# KiCad board panel.kicad_pcb (continued)
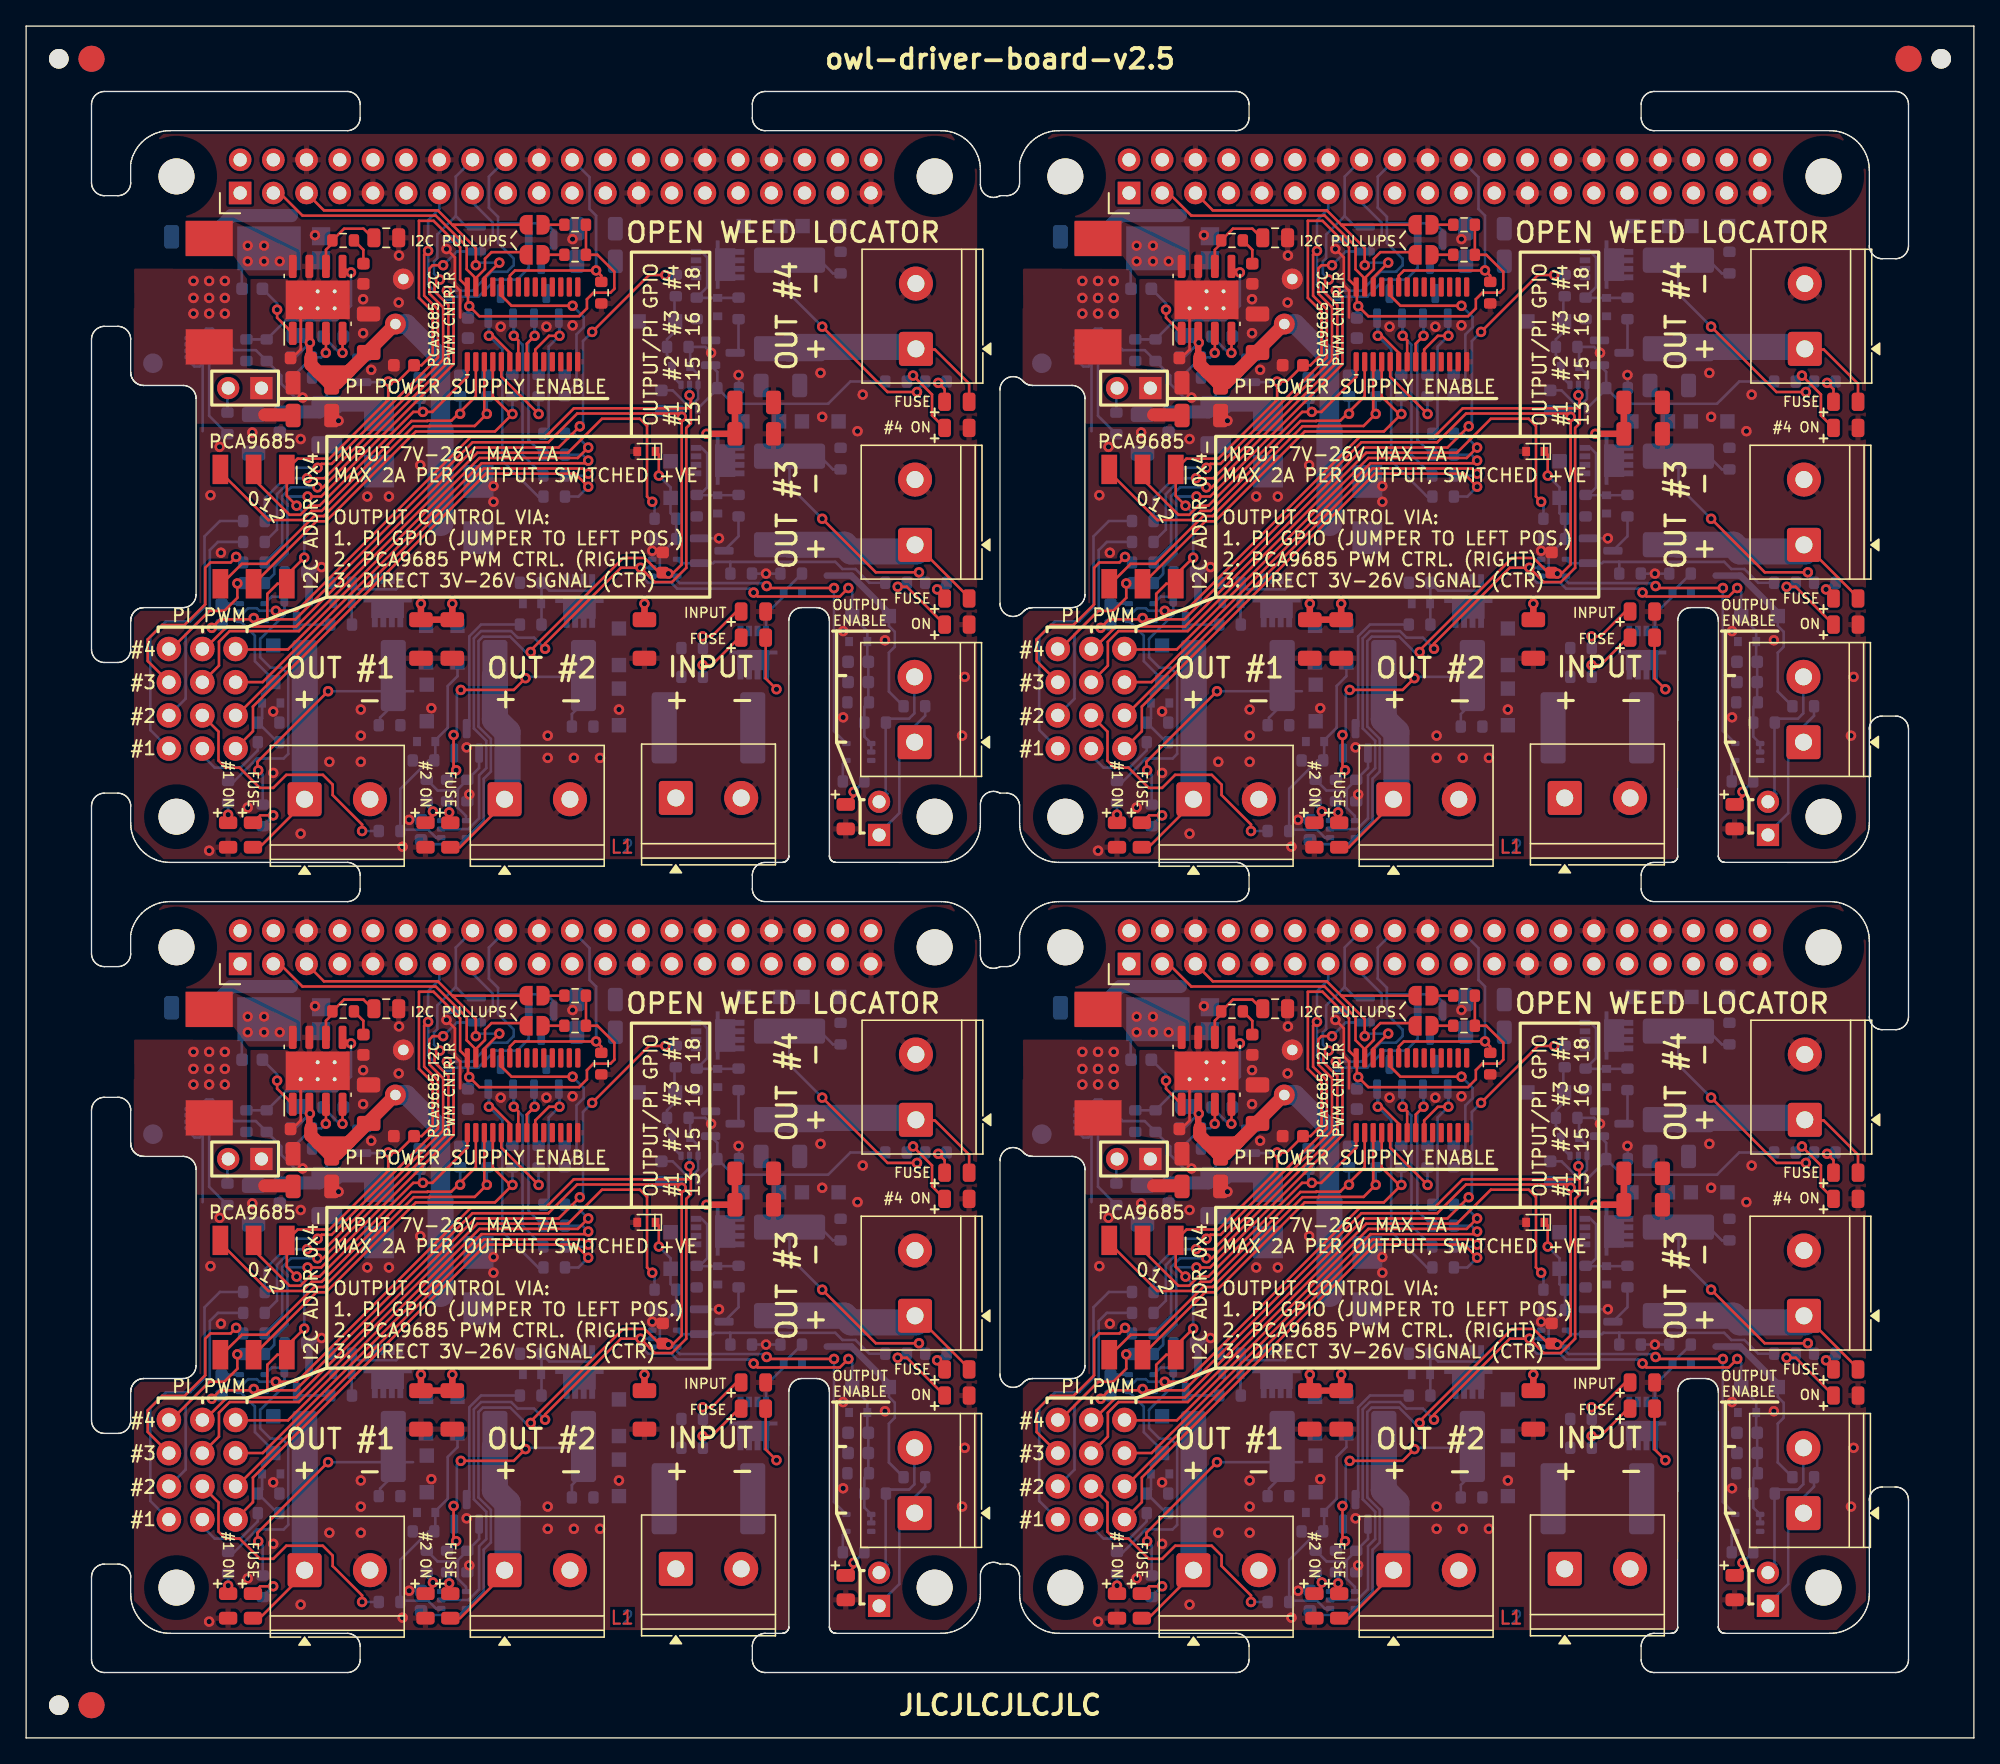
[diagram p0: board, top side]
## Placement (name value [footprint] x y rotation side) (continued)
F3#3  2920L200DR  [Fuse_2920_7451Metric_nosilk]  58.4 94.7 270 bottom
F3#4  2920L200DR  [Fuse_2920_7451Metric_nosilk]  126.4 35.7 270 bottom
F4  2920L200DR  [Fuse_2920_7451Metric_nosilk]  39.25 81.3 180 bottom
F4#2  2920L200DR  [Fuse_2920_7451Metric_nosilk]  107.25 81.3 180 bottom
F4#3  2920L200DR  [Fuse_2920_7451Metric_nosilk]  39.25 22.3 180 bottom
F4#4  2920L200DR  [Fuse_2920_7451Metric_nosilk]  107.25 22.3 180 bottom
F5  2920L200DR  [Fuse_2920_7451Metric_nosilk]  126.4 109.7 270 bottom
F5#2  2920L200DR  [Fuse_2920_7451Metric_nosilk]  58.4 109.7 270 bottom
F5#3  2920L200DR  [Fuse_2920_7451Metric_nosilk]  58.4 50.7 270 bottom
F5#4  2920L200DR  [Fuse_2920_7451Metric_nosilk]  126.4 50.7 270 bottom
J1  CONN_04  [1X04_NO_SILK]  10.92 24.33 270 top
J1#2  CONN_04  [1X04_NO_SILK]  78.92 24.33 270 top
J1#3  CONN_04  [1X04_NO_SILK]  10.92 83.33 270 top
J1#4  CONN_04  [1X04_NO_SILK]  78.92 83.33 270 top
J2  RASPBERRYPI-40-PIN-GPIO  [Pin_Header_Straight_2x20]  40.5 60.5 90 top
J2#2  RASPBERRYPI-40-PIN-GPIO  [Pin_Header_Straight_2x20]  40.5 119.5 90 top
J2#3  RASPBERRYPI-40-PIN-GPIO  [Pin_Header_Straight_2x20]  108.5 119.5 90 top
J2#4  RASPBERRYPI-40-PIN-GPIO  [Pin_Header_Straight_2x20]  108.5 60.5 90 top
J3  1935161  [TerminalBlock_Phoenix_PT-1,5-2-5.0-H_1x02_P5.00mm_Horizontal]  117.7 71.93 0 top
J3#2  1935161  [TerminalBlock_Phoenix_PT-1,5-2-5.0-H_1x02_P5.00mm_Horizontal]  49.7 12.93 0 top
J3#3  1935161  [TerminalBlock_Phoenix_PT-1,5-2-5.0-H_1x02_P5.00mm_Horizontal]  49.7 71.93 0 top
J3#4  1935161  [TerminalBlock_Phoenix_PT-1,5-2-5.0-H_1x02_P5.00mm_Horizontal]  117.7 12.93 0 top
J4  1935161  [TerminalBlock_Phoenix_PT-1,5-2-5.0-H_1x02_P5.00mm_Horizontal]  21.3 71.83 0 top
J4#2  1935161  [TerminalBlock_Phoenix_PT-1,5-2-5.0-H_1x02_P5.00mm_Horizontal]  21.3 12.83 0 top
J4#3  1935161  [TerminalBlock_Phoenix_PT-1,5-2-5.0-H_1x02_P5.00mm_Horizontal]  89.3 71.83 0 top
J4#4  1935161  [TerminalBlock_Phoenix_PT-1,5-2-5.0-H_1x02_P5.00mm_Horizontal]  89.3 12.83 0 top
J5  1935161  [TerminalBlock_Phoenix_PT-1,5-2-5.0-H_1x02_P5.00mm_Horizontal]  104.6 71.83 0 top
J5#2  1935161  [TerminalBlock_Phoenix_PT-1,5-2-5.0-H_1x02_P5.00mm_Horizontal]  36.6 12.83 0 top
J5#3  1935161  [TerminalBlock_Phoenix_PT-1,5-2-5.0-H_1x02_P5.00mm_Horizontal]  104.6 12.83 0 top
J5#4  1935161  [TerminalBlock_Phoenix_PT-1,5-2-5.0-H_1x02_P5.00mm_Horizontal]  36.6 71.83 0 top
J6  CONN_04X2  [2X4]  82.75 20.52 90 top
J6#2  CONN_04X2  [2X4]  14.75 79.52 90 top
J6#3  CONN_04X2  [2X4]  14.75 20.52 90 top
J6#4  CONN_04X2  [2X4]  82.75 79.52 90 top
J7  1935161  [TerminalBlock_Phoenix_PT-1,5-2-5.0-H_1x02_P5.00mm_Horizontal]  68 91.3 90 top
J7#2  1935161  [TerminalBlock_Phoenix_PT-1,5-2-5.0-H_1x02_P5.00mm_Horizontal]  136 32.3 90 top
J7#3  1935161  [TerminalBlock_Phoenix_PT-1,5-2-5.0-H_1x02_P5.00mm_Horizontal]  136 91.3 90 top
J7#4  1935161  [TerminalBlock_Phoenix_PT-1,5-2-5.0-H_1x02_P5.00mm_Horizontal]  68 32.3 90 top
J8  1935161  [TerminalBlock_Phoenix_PT-1,5-2-5.0-H_1x02_P5.00mm_Horizontal]  68.07 47.3 90 top
J8#2  1935161  [TerminalBlock_Phoenix_PT-1,5-2-5.0-H_1x02_P5.00mm_Horizontal]  68.07 106.3 90 top
J8#3  1935161  [TerminalBlock_Phoenix_PT-1,5-2-5.0-H_1x02_P5.00mm_Horizontal]  136.07 47.3 90 top
J8#4  1935161  [TerminalBlock_Phoenix_PT-1,5-2-5.0-H_1x02_P5.00mm_Horizontal]  136.07 106.3 90 top
J9  PI 5V  [PinHeader_1x02_P2.54mm_Vertical_nosilk]  18 103.3 270 top
J9#2  PI 5V  [PinHeader_1x02_P2.54mm_Vertical_nosilk]  18 44.3 270 top
J9#3  PI 5V  [PinHeader_1x02_P2.54mm_Vertical_nosilk]  86 103.3 270 top
J9#4  PI 5V  [PinHeader_1x02_P2.54mm_Vertical_nosilk]  86 44.3 270 top
J10  1935161  [TerminalBlock_Phoenix_PT-1,5-2-5.0-H_1x02_P5.00mm_Horizontal]  135.97 76.2 90 top
J10#2  1935161  [TerminalBlock_Phoenix_PT-1,5-2-5.0-H_1x02_P5.00mm_Horizontal]  135.97 17.2 90 top
J10#3  1935161  [TerminalBlock_Phoenix_PT-1,5-2-5.0-H_1x02_P5.00mm_Horizontal]  67.97 17.2 90 top
J10#4  1935161  [TerminalBlock_Phoenix_PT-1,5-2-5.0-H_1x02_P5.00mm_Horizontal]  67.97 76.2 90 top
J11  ENABLE  [PinHeader_1x02_P2.54mm_Vertical_nosilk]  65.25 69.1 180 top
J11#2  ENABLE  [PinHeader_1x02_P2.54mm_Vertical_nosilk]  133.25 69.1 180 top
J11#3  ENABLE  [PinHeader_1x02_P2.54mm_Vertical_nosilk]  65.25 10.1 180 top
J11#4  ENABLE  [PinHeader_1x02_P2.54mm_Vertical_nosilk]  133.25 10.1 180 top
JP7  A0  [SolderJumper-2_P1.3mm_Open_RoundedPad1.0x1.5mm_nosilk]  106.9 113.5 0 top
JP7#2  A0  [SolderJumper-2_P1.3mm_Open_RoundedPad1.0x1.5mm_nosilk]  38.9 113.5 0 top
JP7#3  A0  [SolderJumper-2_P1.3mm_Open_RoundedPad1.0x1.5mm_nosilk]  38.9 54.5 0 top
JP7#4  A0  [SolderJumper-2_P1.3mm_Open_RoundedPad1.0x1.5mm_nosilk]  106.9 54.5 0 top
JP8  A0  [SolderJumper-2_P1.3mm_Open_RoundedPad1.0x1.5mm_nosilk]  38.9 56.8 0 top
JP8#2  A0  [SolderJumper-2_P1.3mm_Open_RoundedPad1.0x1.5mm_nosilk]  106.9 115.8 0 top
JP8#3  A0  [SolderJumper-2_P1.3mm_Open_RoundedPad1.0x1.5mm_nosilk]  38.9 115.8 0 top
JP8#4  A0  [SolderJumper-2_P1.3mm_Open_RoundedPad1.0x1.5mm_nosilk]  106.9 56.8 0 top
KiKit_FID_B_1  -  [Fiducial]  5 128.5 180 bottom
KiKit_FID_B_2  -  [Fiducial]  144 128.5 180 bottom
KiKit_FID_B_3  -  [Fiducial]  5 2.5 180 bottom
KiKit_FID_T_1  -  [Fiducial]  5 128.5 0 top
KiKit_FID_T_2  -  [Fiducial]  144 128.5 0 top
KiKit_FID_T_3  -  [Fiducial]  5 2.5 0 top
KiKit_TO_1  -  [NPTH]  2.5 128.5 0 top
KiKit_TO_2  -  [NPTH]  146.5 128.5 0 top
KiKit_TO_3  -  [NPTH]  2.5 2.5 0 top
L1  10uH  [L_10.4x10.4_H4.8]  14 51.6 270 top
L1#2  10uH  [L_10.4x10.4_H4.8]  82 51.6 270 top
L1#3  10uH  [L_10.4x10.4_H4.8]  14 110.6 270 top
L1#4  10uH  [L_10.4x10.4_H4.8]  82 110.6 270 top
LOGO1  -  [OSHW-Logo2_7.3x6mm_SilkScreen]  65.2 34.7 90 bottom
LOGO1#2  -  [OSHW-Logo2_7.3x6mm_SilkScreen]  133.2 34.7 90 bottom
LOGO1#3  -  [OSHW-Logo2_7.3x6mm_SilkScreen]  65.2 93.7 90 bottom
LOGO1#4  -  [OSHW-Logo2_7.3x6mm_SilkScreen]  133.2 93.7 90 bottom
PI1  -  [RPi_Hat_Mounting_Hole]  137.5 119.5 0 top
PI1#2  -  [RPi_Hat_Mounting_Hole]  69.5 60.5 0 top
PI1#3  -  [RPi_Hat_Mounting_Hole]  69.5 119.5 0 top
PI1#4  -  [RPi_Hat_Mounting_Hole]  137.5 60.5 0 top
PI2  -  [RPi_Hat_Mounting_Hole]  69.5 70.5 0 top
PI2#2  -  [RPi_Hat_Mounting_Hole]  137.5 11.5 0 top
PI2#3  -  [RPi_Hat_Mounting_Hole]  137.5 70.5 0 top
PI2#4  -  [RPi_Hat_Mounting_Hole]  69.5 11.5 0 top
PI3  -  [RPi_Hat_Mounting_Hole]  79.5 119.5 0 top
PI3#2  -  [RPi_Hat_Mounting_Hole]  11.5 60.5 0 top
PI3#3  -  [RPi_Hat_Mounting_Hole]  11.5 119.5 0 top
PI3#4  -  [RPi_Hat_Mounting_Hole]  79.5 60.5 0 top
PI4  -  [RPi_Hat_Mounting_Hole]  79.5 70.5 0 top
PI4#2  -  [RPi_Hat_Mounting_Hole]  11.5 11.5 0 top
PI4#3  -  [RPi_Hat_Mounting_Hole]  11.5 70.5 0 top
PI4#4  -  [RPi_Hat_Mounting_Hole]  79.5 11.5 0 top
Q1  AGM60P85AP  [PDFN-8-3.3x3.3]  52.78 21.96 180 bottom
Q1#2  AGM60P85AP  [PDFN-8-3.3x3.3]  52.78 80.96 180 bottom
Q1#3  AGM60P85AP  [PDFN-8-3.3x3.3]  120.78 21.96 180 bottom
Q1#4  AGM60P85AP  [PDFN-8-3.3x3.3]  120.78 80.96 180 bottom
Q2  AGM60P85AP  [PDFN-8-3.3x3.3]  92.8 25.95 180 bottom
Q2#2  AGM60P85AP  [PDFN-8-3.3x3.3]  24.8 84.95 180 bottom
Q2#3  AGM60P85AP  [PDFN-8-3.3x3.3]  92.8 84.95 180 bottom
Q2#4  AGM60P85AP  [PDFN-8-3.3x3.3]  24.8 25.95 180 bottom
Q3  AGM60P85AP  [PDFN-8-3.3x3.3]  55 35.9 270 bottom
Q3#2  AGM60P85AP  [PDFN-8-3.3x3.3]  123 94.9 270 bottom
Q3#3  AGM60P85AP  [PDFN-8-3.3x3.3]  55 94.9 270 bottom
Q3#4  AGM60P85AP  [PDFN-8-3.3x3.3]  123 35.9 270 bottom
Q4  2N7002  [SOT-23_nosilk]  20.7 27.4 270 bottom
Q4#2  2N7002  [SOT-23_nosilk]  88.7 86.4 270 bottom
Q4#3  2N7002  [SOT-23_nosilk]  20.7 86.4 270 bottom
Q4#4  2N7002  [SOT-23_nosilk]  88.7 27.4 270 bottom
Q5  2N7002  [SOT-23_nosilk]  120.45 90.85 0 bottom
Q5#2  2N7002  [SOT-23_nosilk]  52.45 90.85 0 bottom
Q5#3  2N7002  [SOT-23_nosilk]  52.45 31.85 0 bottom
Q5#4  2N7002  [SOT-23_nosilk]  120.45 31.85 0 bottom
Q6  AGM60P85AP  [PDFN-8-3.3x3.3]  39.47 25.9 180 bottom
Q6#2  AGM60P85AP  [PDFN-8-3.3x3.3]  107.47 84.9 180 bottom
Q6#3  AGM60P85AP  [PDFN-8-3.3x3.3]  39.47 84.9 180 bottom
Q6#4  AGM60P85AP  [PDFN-8-3.3x3.3]  107.47 25.9 180 bottom
Q7  AGM60P85AP  [PDFN-8-3.3x3.3]  55 50.9 270 bottom
Q7#2  AGM60P85AP  [PDFN-8-3.3x3.3]  123 50.9 270 bottom
Q7#3  AGM60P85AP  [PDFN-8-3.3x3.3]  55 109.9 270 bottom
Q7#4  AGM60P85AP  [PDFN-8-3.3x3.3]  123 109.9 270 bottom
Q8  2N7002  [SOT-23_nosilk]  101.7 17.3 90 bottom
Q8#2  2N7002  [SOT-23_nosilk]  33.7 17.3 90 bottom
Q8#3  2N7002  [SOT-23_nosilk]  101.7 76.3 90 bottom
Q8#4  2N7002  [SOT-23_nosilk]  33.7 76.3 90 bottom
Q9  2N7002  [SOT-23_nosilk]  121.3 47 0 bottom
Q9#2  2N7002  [SOT-23_nosilk]  53.3 47 0 bottom
Q9#3  2N7002  [SOT-23_nosilk]  53.3 106 0 bottom
Q9#4  2N7002  [SOT-23_nosilk]  121.3 106 0 bottom
R1  1k  [R_0603_1608Metric]  118.95 81.2 180 bottom
R1#2  1k  [R_0603_1608Metric]  118.95 22.2 180 bottom
R1#3  1k  [R_0603_1608Metric]  50.95 22.2 180 bottom
R1#4  1k  [R_0603_1608Metric]  50.95 81.2 180 bottom
R2  1k  [R_0603_1608Metric]  92.1 88.4 180 bottom
R2#2  1k  [R_0603_1608Metric]  92.1 29.4 180 bottom
R2#3  1k  [R_0603_1608Metric]  24.1 88.4 180 bottom
R2#4  1k  [R_0603_1608Metric]  24.1 29.4 180 bottom
R3  1k  [R_0603_1608Metric]  51.3 35.3 270 bottom
R3#2  1k  [R_0603_1608Metric]  51.3 94.3 270 bottom
R3#3  1k  [R_0603_1608Metric]  119.3 94.3 270 bottom
R3#4  1k  [R_0603_1608Metric]  119.3 35.3 270 bottom
R4  1k  [R_0603_1608Metric]  18.1 70.6 90 bottom
R4#2  1k  [R_0603_1608Metric]  86.1 70.6 90 bottom
R4#3  1k  [R_0603_1608Metric]  86.1 11.6 90 bottom
R4#4  1k  [R_0603_1608Metric]  18.1 11.6 90 bottom
R5  1k  [R_0603_1608Metric]  69.6 88.4 180 bottom
R5#2  1k  [R_0603_1608Metric]  69.6 29.4 180 bottom
R5#3  1k  [R_0603_1608Metric]  137.6 29.4 180 bottom
R5#4  1k  [R_0603_1608Metric]  137.6 88.4 180 bottom
R6  470  [R_0603_1608Metric]  92.1 26.2 0 bottom
R6#2  470  [R_0603_1608Metric]  24.1 85.2 0 bottom
R6#3  470  [R_0603_1608Metric]  24.1 26.2 0 bottom
R6#4  470  [R_0603_1608Metric]  92.1 85.2 0 bottom
R7  470  [R_0603_1608Metric]  122.5 94.3 90 bottom
R7#2  470  [R_0603_1608Metric]  54.5 94.3 90 bottom
R7#3  470  [R_0603_1608Metric]  54.5 35.3 90 bottom
R7#4  470  [R_0603_1608Metric]  122.5 35.3 90 bottom
R8  10k  [R_0603_1608Metric]  126.53 89.1 0 bottom
R8#2  10k  [R_0603_1608Metric]  58.53 30.1 0 bottom
R8#3  10k  [R_0603_1608Metric]  58.53 89.1 0 bottom
R8#4  10k  [R_0603_1608Metric]  126.53 30.1 0 bottom
R9  1k  [R_0603_1608Metric]  86.55 17.2 180 bottom
R9#2  1k  [R_0603_1608Metric]  86.55 76.2 180 bottom
R9#3  1k  [R_0603_1608Metric]  18.55 76.2 180 bottom
R9#4  1k  [R_0603_1608Metric]  18.55 17.2 180 bottom
R10  1k  [R_0603_1608Metric]  48.9 34.3 180 bottom
R10#2  1k  [R_0603_1608Metric]  48.9 93.3 180 bottom
R10#3  1k  [R_0603_1608Metric]  116.9 34.3 180 bottom
R10#4  1k  [R_0603_1608Metric]  116.9 93.3 180 bottom
R11  10k  [R_0603_1608Metric]  88.6 30.2 180 bottom
R11#2  10k  [R_0603_1608Metric]  20.6 89.2 180 bottom
R11#3  10k  [R_0603_1608Metric]  20.6 30.2 180 bottom
R11#4  10k  [R_0603_1608Metric]  88.6 89.2 180 bottom
R12  10k  [R_0603_1608Metric]  122.7 89.1 180 bottom
R12#2  10k  [R_0603_1608Metric]  54.7 89.1 180 bottom
R12#3  10k  [R_0603_1608Metric]  122.7 30.1 180 bottom
R12#4  10k  [R_0603_1608Metric]  54.7 30.1 180 bottom
R13  1k  [R_0603_1608Metric]  38.6 29.4 180 bottom
R13#2  1k  [R_0603_1608Metric]  106.6 88.4 180 bottom
R13#3  1k  [R_0603_1608Metric]  106.6 29.4 180 bottom
R13#4  1k  [R_0603_1608Metric]  38.6 88.4 180 bottom
R14  1k  [R_0603_1608Metric]  51.3 50.4 270 bottom
R14#2  1k  [R_0603_1608Metric]  119.3 50.4 270 bottom
R14#3  1k  [R_0603_1608Metric]  119.3 109.4 270 bottom
R14#4  1k  [R_0603_1608Metric]  51.3 109.4 270 bottom
R15  1k  [R_0603_1608Metric]  100.2 13.5 90 bottom
R15#2  1k  [R_0603_1608Metric]  32.2 13.5 90 bottom
R15#3  1k  [R_0603_1608Metric]  100.2 72.5 90 bottom
R15#4  1k  [R_0603_1608Metric]  32.2 72.5 90 bottom
R16  1k  [R_0603_1608Metric]  69.6 103.8 0 bottom
R16#2  1k  [R_0603_1608Metric]  69.6 44.8 0 bottom
R16#3  1k  [R_0603_1608Metric]  137.6 44.8 0 bottom
R16#4  1k  [R_0603_1608Metric]  137.6 103.8 0 bottom
R17  470  [R_0603_1608Metric]  38.6 85.2 0 bottom
R17#2  470  [R_0603_1608Metric]  38.6 26.2 0 bottom
R17#3  470  [R_0603_1608Metric]  106.6 85.2 0 bottom
R17#4  470  [R_0603_1608Metric]  106.6 26.2 0 bottom
R18  470  [R_0603_1608Metric]  122.5 50.4 90 bottom
R18#2  470  [R_0603_1608Metric]  122.5 109.4 90 bottom
R18#3  470  [R_0603_1608Metric]  54.5 109.4 90 bottom
R18#4  470  [R_0603_1608Metric]  54.5 50.4 90 bottom
R19  1k  [R_0603_1608Metric]  27.8 10.4 180 bottom
R19#2  1k  [R_0603_1608Metric]  95.8 10.4 180 bottom
R19#3  1k  [R_0603_1608Metric]  27.8 69.4 180 bottom
R19#4  1k  [R_0603_1608Metric]  95.8 69.4 180 bottom
R20  1k  [R_0603_1608Metric]  117.7 111.15 90 bottom
R20#2  1k  [R_0603_1608Metric]  49.7 52.15 90 bottom
R20#3  1k  [R_0603_1608Metric]  117.7 52.15 90 bottom
R20#4  1k  [R_0603_1608Metric]  49.7 111.15 90 bottom
R21  10k  [R_0603_1608Metric]  101.75 13.5 90 bottom
R21#2  10k  [R_0603_1608Metric]  33.75 72.5 90 bottom
R21#3  10k  [R_0603_1608Metric]  101.75 72.5 90 bottom
R21#4  10k  [R_0603_1608Metric]  33.75 13.5 90 bottom
R22  10k  [R_0603_1608Metric]  53.7 103.3 180 bottom
R22#2  10k  [R_0603_1608Metric]  121.7 103.3 180 bottom
R22#3  10k  [R_0603_1608Metric]  53.7 44.3 180 bottom
R22#4  10k  [R_0603_1608Metric]  121.7 44.3 180 bottom
R23  1k  [R_0603_1608Metric]  50.95 24.4 180 bottom
R23#2  1k  [R_0603_1608Metric]  50.95 83.4 180 bottom
R23#3  1k  [R_0603_1608Metric]  118.95 24.4 180 bottom
R23#4  1k  [R_0603_1608Metric]  118.95 83.4 180 bottom
R24  470  [R_0603_1608Metric]  108.4 95 0 bottom
R24#2  470  [R_0603_1608Metric]  40.4 36 0 bottom
R24#3  470  [R_0603_1608Metric]  40.4 95 0 bottom
R24#4  470  [R_0603_1608Metric]  108.4 36 0 bottom
R25  470  [R_0603_1608Metric]  40.4 96.6 0 bottom
R25#2  470  [R_0603_1608Metric]  40.4 37.6 0 bottom
R25#3  470  [R_0603_1608Metric]  108.4 37.6 0 bottom
R25#4  470  [R_0603_1608Metric]  108.4 96.6 0 bottom
R26  470  [R_0603_1608Metric]  40.4 39.2 0 bottom
R26#2  470  [R_0603_1608Metric]  40.4 98.2 0 bottom
R26#3  470  [R_0603_1608Metric]  108.4 39.2 0 bottom
R26#4  470  [R_0603_1608Metric]  108.4 98.2 0 bottom
R27  470  [R_0603_1608Metric]  40.4 40.8 0 bottom
R27#2  470  [R_0603_1608Metric]  108.4 99.8 0 bottom
R27#3  470  [R_0603_1608Metric]  40.4 99.8 0 bottom
R27#4  470  [R_0603_1608Metric]  108.4 40.8 0 bottom
R28  10k  [R_0603_1608Metric]  112 51.6 90 top
R28#2  10k  [R_0603_1608Metric]  44 51.6 90 top
R28#3  10k  [R_0603_1608Metric]  44 110.6 90 top
R28#4  10k  [R_0603_1608Metric]  112 110.6 90 top
R29  470  [R_0603_1608Metric]  85.43 91.53 180 bottom
R29#2  470  [R_0603_1608Metric]  85.43 32.53 180 bottom
R29#3  470  [R_0603_1608Metric]  17.42 32.53 180 bottom
R29#4  470  [R_0603_1608Metric]  17.42 91.53 180 bottom
R30  470  [R_0603_1608Metric]  85.43 89.95 180 bottom
R30#2  470  [R_0603_1608Metric]  17.42 89.95 180 bottom
R30#3  470  [R_0603_1608Metric]  17.42 30.95 180 bottom
R30#4  470  [R_0603_1608Metric]  85.43 30.95 180 bottom
R31  470  [R_0603_1608Metric]  17.45 88.38 180 bottom
R31#2  470  [R_0603_1608Metric]  85.45 88.38 180 bottom
R31#3  470  [R_0603_1608Metric]  17.45 29.38 180 bottom
R31#4  470  [R_0603_1608Metric]  85.45 29.38 180 bottom
R32  10k  [R_0603_1608Metric]  109.2 44.5 270 bottom
R32#2  10k  [R_0603_1608Metric]  41.2 103.5 270 bottom
R32#3  10k  [R_0603_1608Metric]  109.2 103.5 270 bottom
R32#4  10k  [R_0603_1608Metric]  41.2 44.5 270 bottom
R33  10k  [R_0603_1608Metric]  107.2 103.49 270 bottom
R33#2  10k  [R_0603_1608Metric]  107.2 44.49 270 bottom
R33#3  10k  [R_0603_1608Metric]  39.2 44.49 270 bottom
R33#4  10k  [R_0603_1608Metric]  39.2 103.49 270 bottom
R34  10k  [R_0603_1608Metric]  37.2 44.49 270 bottom
R34#2  10k  [R_0603_1608Metric]  105.2 44.49 270 bottom
R34#3  10k  [R_0603_1608Metric]  105.2 103.49 270 bottom
R34#4  10k  [R_0603_1608Metric]  37.2 103.49 270 bottom
R35  10k  [R_0603_1608Metric]  35.3 44.5 270 bottom
R35#2  10k  [R_0603_1608Metric]  103.3 44.5 270 bottom
R35#3  10k  [R_0603_1608Metric]  103.3 103.5 270 bottom
R35#4  10k  [R_0603_1608Metric]  35.3 103.5 270 bottom
R36  10k  [R_0603_1608Metric]  33.2 44.49 270 bottom
R36#2  10k  [R_0603_1608Metric]  101.2 103.49 270 bottom
R36#3  10k  [R_0603_1608Metric]  101.2 44.49 270 bottom
R36#4  10k  [R_0603_1608Metric]  33.2 103.49 270 bottom
R37  10k  [R_0603_1608Metric]  30.1 44.3 270 bottom
R37#2  10k  [R_0603_1608Metric]  98.1 44.3 270 bottom
R37#3  10k  [R_0603_1608Metric]  30.1 103.3 270 bottom
R37#4  10k  [R_0603_1608Metric]  98.1 103.3 270 bottom
R38  470  [R_0603_1608Metric]  85.43 34.13 180 bottom
R38#2  470  [R_0603_1608Metric]  17.42 34.13 180 bottom
R38#3  470  [R_0603_1608Metric]  17.42 93.13 180 bottom
R38#4  470  [R_0603_1608Metric]  85.43 93.13 180 bottom
R39  1k  [R_0603_1608Metric]  110 113.5 0 top
R39#2  1k  [R_0603_1608Metric]  42 113.5 0 top
R39#3  1k  [R_0603_1608Metric]  42 54.5 0 top
R39#4  1k  [R_0603_1608Metric]  110 54.5 0 top
R40  1k  [R_0603_1608Metric]  110 56.8 0 top
R40#2  1k  [R_0603_1608Metric]  110 115.8 0 top
R40#3  1k  [R_0603_1608Metric]  42 56.8 0 top
R40#4  1k  [R_0603_1608Metric]  42 115.8 0 top
R41  165k  [R_0603_1608Metric]  89.05 46.65 180 bottom
R41#2  165k  [R_0603_1608Metric]  21.05 105.65 180 bottom
R41#3  165k  [R_0603_1608Metric]  21.05 46.65 180 bottom
R41#4  165k  [R_0603_1608Metric]  89.05 105.65 180 bottom
R42  10.2k  [R_0603_1608Metric]  84.85 106.2 270 bottom
R42#2  10.2k  [R_0603_1608Metric]  16.85 106.2 270 bottom
R42#3  10.2k  [R_0603_1608Metric]  16.85 47.2 270 bottom
R42#4  10.2k  [R_0603_1608Metric]  84.85 47.2 270 bottom
R43  43k  [R_0603_1608Metric]  21.05 45.1 180 bottom
R43#2  43k  [R_0603_1608Metric]  21.05 104.1 180 bottom
R43#3  43k  [R_0603_1608Metric]  89.05 104.1 180 bottom
R43#4  43k  [R_0603_1608Metric]  89.05 45.1 180 bottom
R44  14k  [R_0603_1608Metric]  24.25 55.6 0 top
R44#2  14k  [R_0603_1608Metric]  92.25 55.6 0 top
R44#3  14k  [R_0603_1608Metric]  92.25 114.6 0 top
R44#4  14k  [R_0603_1608Metric]  24.25 114.6 0 top
R45  1.87k  [R_0603_1608Metric]  86.4 106.2 90 bottom
R45#2  1.87k  [R_0603_1608Metric]  18.4 106.2 90 bottom
R45#3  1.87k  [R_0603_1608Metric]  18.4 47.2 90 bottom
R45#4  1.87k  [R_0603_1608Metric]  86.4 47.2 90 bottom
R46  360k  [R_0603_1608Metric]  15.4 41.6 90 bottom
R46#2  360k  [R_0603_1608Metric]  83.4 100.6 90 bottom
R46#3  360k  [R_0603_1608Metric]  15.4 100.6 90 bottom
R46#4  360k  [R_0603_1608Metric]  83.4 41.6 90 bottom
R47  10k  [R_0603_1608Metric]  131.65 79.25 180 bottom
R47#2  10k  [R_0603_1608Metric]  63.65 79.25 180 bottom
R47#3  10k  [R_0603_1608Metric]  131.65 20.25 180 bottom
R47#4  10k  [R_0603_1608Metric]  63.65 20.25 180 bottom
R48  1k  [R_0603_1608Metric]  67.95 78.95 0 bottom
R48#2  1k  [R_0603_1608Metric]  67.95 19.95 0 bottom
R48#3  1k  [R_0603_1608Metric]  135.95 78.95 0 bottom
R48#4  1k  [R_0603_1608Metric]  135.95 19.95 0 bottom
R49  1k  [R_0603_1608Metric]  132.95 18.7 180 bottom
R49#2  1k  [R_0603_1608Metric]  132.95 77.7 180 bottom
R49#3  1k  [R_0603_1608Metric]  64.95 77.7 180 bottom
R49#4  1k  [R_0603_1608Metric]  64.95 18.7 180 bottom
R50  10k  [R_0603_1608Metric]  117.85 106.45 180 bottom
R50#2  10k  [R_0603_1608Metric]  49.85 106.45 180 bottom
R50#3  10k  [R_0603_1608Metric]  117.85 47.45 180 bottom
R50#4  10k  [R_0603_1608Metric]  49.85 47.45 180 bottom
R51  10k  [R_0603_1608Metric]  48.9 91.75 0 bottom
R51#2  10k  [R_0603_1608Metric]  116.9 32.75 0 bottom
R51#3  10k  [R_0603_1608Metric]  48.9 32.75 0 bottom
R51#4  10k  [R_0603_1608Metric]  116.9 91.75 0 bottom
R52  10k  [R_0603_1608Metric]  98.4 74.8 0 bottom
R52#2  10k  [R_0603_1608Metric]  98.4 15.8 0 bottom
R52#3  10k  [R_0603_1608Metric]  30.4 74.8 0 bottom
R52#4  10k  [R_0603_1608Metric]  30.4 15.8 0 bottom
R53  10k  [R_0603_1608Metric]  18.55 18.7 180 bottom
R53#2  10k  [R_0603_1608Metric]  86.55 18.7 180 bottom
R53#3  10k  [R_0603_1608Metric]  86.55 77.7 180 bottom
R53#4  10k  [R_0603_1608Metric]  18.55 77.7 180 bottom
R54  470  [R_0603_1608Metric]  66.55 103.8 180 bottom
R54#2  470  [R_0603_1608Metric]  134.55 44.8 180 bottom
R54#3  470  [R_0603_1608Metric]  66.55 44.8 180 bottom
R54#4  470  [R_0603_1608Metric]  134.55 103.8 180 bottom
R55  470  [R_0603_1608Metric]  63.3 14.2 180 bottom
R55#2  470  [R_0603_1608Metric]  131.3 73.2 180 bottom
R55#3  470  [R_0603_1608Metric]  63.3 73.2 180 bottom
R55#4  470  [R_0603_1608Metric]  131.3 14.2 180 bottom
R56  470  [R_0603_1608Metric]  134.55 29.4 180 bottom
R56#2  470  [R_0603_1608Metric]  66.55 88.4 180 bottom
R56#3  470  [R_0603_1608Metric]  134.55 88.4 180 bottom
R56#4  470  [R_0603_1608Metric]  66.55 29.4 180 bottom
R57  470  [R_0603_1608Metric]  30.65 13.5 90 bottom
R57#2  470  [R_0603_1608Metric]  30.65 72.5 90 bottom
R57#3  470  [R_0603_1608Metric]  98.65 13.5 90 bottom
R57#4  470  [R_0603_1608Metric]  98.65 72.5 90 bottom
R58  470  [R_0603_1608Metric]  15.45 13.4 90 bottom
R58#2  470  [R_0603_1608Metric]  83.45 13.4 90 bottom
R58#3  470  [R_0603_1608Metric]  15.45 72.4 90 bottom
R58#4  470  [R_0603_1608Metric]  83.45 72.4 90 bottom
R59  10k  [R_0603_1608Metric]  130.3 53.9 270 bottom
R59#2  10k  [R_0603_1608Metric]  130.3 112.9 270 bottom
R59#3  10k  [R_0603_1608Metric]  62.3 53.9 270 bottom
R59#4  10k  [R_0603_1608Metric]  62.3 112.9 270 bottom
R60  10k  [R_0603_1608Metric]  62.3 97.9 270 bottom
R60#2  10k  [R_0603_1608Metric]  130.3 97.9 270 bottom
R60#3  10k  [R_0603_1608Metric]  62.3 38.9 270 bottom
R60#4  10k  [R_0603_1608Metric]  130.3 38.9 270 bottom
R61  10k  [R_0603_1608Metric]  42.58 77.4 180 bottom
R61#2  10k  [R_0603_1608Metric]  110.57 77.4 180 bottom
R61#3  10k  [R_0603_1608Metric]  110.57 18.4 180 bottom
R61#4  10k  [R_0603_1608Metric]  42.58 18.4 180 bottom
R62  10k  [R_0603_1608Metric]  95.8 77.5 180 bottom
R62#2  10k  [R_0603_1608Metric]  27.8 18.5 180 bottom
R62#3  10k  [R_0603_1608Metric]  27.8 77.5 180 bottom
R62#4  10k  [R_0603_1608Metric]  95.8 18.5 180 bottom
SW1  SW_Coded_SH-7050  [Diptronics-Rotary-Switch-R7M3-16RA-V]  85.4 33.7 0 top
SW1#2  SW_Coded_SH-7050  [Diptronics-Rotary-Switch-R7M3-16RA-V]  85.4 92.7 0 top
SW1#3  SW_Coded_SH-7050  [Diptronics-Rotary-Switch-R7M3-16RA-V]  17.4 33.7 0 top
SW1#4  SW_Coded_SH-7050  [Diptronics-Rotary-Switch-R7M3-16RA-V]  17.4 92.7 0 top
TP1  TestPoint  [TestPoint_Pad_D1.5mm_NoSilk]  77.7 105.2 180 bottom
TP1#2  TestPoint  [TestPoint_Pad_D1.5mm_NoSilk]  9.7 105.2 180 bottom
TP1#3  TestPoint  [TestPoint_Pad_D1.5mm_NoSilk]  77.7 46.2 180 bottom
TP1#4  TestPoint  [TestPoint_Pad_D1.5mm_NoSilk]  9.7 46.2 180 bottom
U1  TPS54531DDA  [Texas_R-PDSO-G8_EP2.95x4.9mm_Mask2.4x3.1mm_ThermalVias]  90.3 51.05 90 top
U1#2  TPS54531DDA  [Texas_R-PDSO-G8_EP2.95x4.9mm_Mask2.4x3.1mm_ThermalVias]  22.3 110.05 90 top
U1#3  TPS54531DDA  [Texas_R-PDSO-G8_EP2.95x4.9mm_Mask2.4x3.1mm_ThermalVias]  90.3 110.05 90 top
U1#4  TPS54531DDA  [Texas_R-PDSO-G8_EP2.95x4.9mm_Mask2.4x3.1mm_ThermalVias]  22.3 51.05 90 top
U2  PCA9685PW  [TSSOP-28_4.4x9.7mm_P0.65mm]  37.97 49.18 90 top
U2#2  PCA9685PW  [TSSOP-28_4.4x9.7mm_P0.65mm]  105.97 49.18 90 top
U2#3  PCA9685PW  [TSSOP-28_4.4x9.7mm_P0.65mm]  37.97 108.18 90 top
U2#4  PCA9685PW  [TSSOP-28_4.4x9.7mm_P0.65mm]  105.97 108.18 90 top
U3  LM73100  [LM73100-QFN10]  81.3 47.4 90 bottom
U3#2  LM73100  [LM73100-QFN10]  13.3 106.4 90 bottom
U3#3  LM73100  [LM73100-QFN10]  81.3 106.4 90 bottom
U3#4  LM73100  [LM73100-QFN10]  13.3 47.4 90 bottom
U4  74LVC1G08  [SOT-353_SC-70-5]  32.7 69.55 0 bottom
U4#2  74LVC1G08  [SOT-353_SC-70-5]  100.7 10.55 0 bottom
U4#3  74LVC1G08  [SOT-353_SC-70-5]  100.7 69.55 0 bottom
U4#4  74LVC1G08  [SOT-353_SC-70-5]  32.7 10.55 0 bottom
U5  74LVC1G08  [SOT-353_SC-70-5]  17.3 86.15 0 bottom
U5#2  74LVC1G08  [SOT-353_SC-70-5]  17.3 27.15 0 bottom
U5#3  74LVC1G08  [SOT-353_SC-70-5]  85.3 27.15 0 bottom
U5#4  74LVC1G08  [SOT-353_SC-70-5]  85.3 86.15 0 bottom
U6  74LVC1G08  [SOT-353_SC-70-5]  48.85 89.55 0 bottom
U6#2  74LVC1G08  [SOT-353_SC-70-5]  48.85 30.55 0 bottom
U6#3  74LVC1G08  [SOT-353_SC-70-5]  116.85 89.55 0 bottom
U6#4  74LVC1G08  [SOT-353_SC-70-5]  116.85 30.55 0 bottom
U7  74LVC1G08  [SOT-353_SC-70-5]  50.75 43.6 270 bottom
U7#2  74LVC1G08  [SOT-353_SC-70-5]  118.75 43.6 270 bottom
U7#3  74LVC1G08  [SOT-353_SC-70-5]  50.75 102.6 270 bottom
U7#4  74LVC1G08  [SOT-353_SC-70-5]  118.75 102.6 270 bottom
U8  74LVC1G08  [SOT-353_SC-70-5]  131.7 75.45 180 bottom
U8#2  74LVC1G08  [SOT-353_SC-70-5]  63.7 75.45 180 bottom
U8#3  74LVC1G08  [SOT-353_SC-70-5]  63.7 16.45 180 bottom
U8#4  74LVC1G08  [SOT-353_SC-70-5]  131.7 16.45 180 bottom
U9  XC6206P332MR  [SOT-23]  24.74 45.7 180 bottom
U9#2  XC6206P332MR  [SOT-23]  24.74 104.7 180 bottom
U9#3  XC6206P332MR  [SOT-23]  92.74 104.7 180 bottom
U9#4  XC6206P332MR  [SOT-23]  92.74 45.7 180 bottom

## Library data of the parts
C1 C1#2-C1#4 C2 C2#2-C2#4 C3 C3#2-C3#4 C4 C4#2-C4#4 C5 C5#2-C5#4 C10 C10#2-C10#4 C11 C11#2-C11#4 C12 C12#2-C12#4 C14 C14#2-C14#4 C15 C15#2-C15#4 C16 C16#2-C16#4 C18 C18#2-C18#4 C19 C19#2-C19#4 C20 C20#2-C20#4 = -: LCSC: C89835; Part: 1206X106K500CT
C6 C6#2-C6#4 C7 C7#2-C7#4 C9 C9#2-C9#4 C17 C17#2-C17#4 C21 C21#2-C21#4 C25 C25#2-C25#4 C26 C26#2-C26#4 C27 C27#2-C27#4 C28 C28#2-C28#4 C29 C29#2-C29#4 C30 C30#2-C30#4 = -: Datasheet: https://datasheet.lcsc.com/lcsc/1811021431_Samsung-Electro-Mechanics-CL10B104KB8NNNC_C1591.pdf; LCSC: C14663
C8 C8#2-C8#4 = -: Datasheet: https://datasheet.lcsc.com/lcsc/2111161030_Kyocera-AVX-TAJB107K006RNJ-_C16133.pdf; LCSC: C216322
C13 C13#2-C13#4 = -: Datasheet: https://datasheet.lcsc.com/lcsc/2111161030_Kyocera-AVX-TAJB107K006RNJ-_C16133.pdf; LCSC: C16133
C22 C22#2-C22#4 = -: Datasheet: https://datasheet.lcsc.com/lcsc/1810221112_Samsung-Electro-Mechanics-CL31A106KBHNNNE_C13585.pdf; LCSC: C107107; Part: CC0805JRNPO9BN100
C23 C23#2-C23#4 = -: Datasheet: https://datasheet.lcsc.com/lcsc/1810221112_Samsung-Electro-Mechanics-CL31A106KBHNNNE_C13585.pdf; LCSC: C1870141; Part: GCM1885C1H202FA16J
C24 C24#2-C24#4 = -: LCSC: C77053; Part: GRM188R71H103KA01D
D1 D1#2-D1#4 D4 D4#2-D4#4 D5 D5#2-D5#4 D19 D19#2-D19#4 D20 D20#2-D20#4 = -: LCSC: C434431
D2 D2#2-D2#4 D3 D3#2-D3#4 D6 D6#2-D6#4 D17 D17#2-D17#4 = -: Datasheet: https://www.lcsc.com/datasheet/C460799.pdf; LCSC: C460799; Note: 9V Zener; Part: BZT585B13T-7
D7 D7#2-D7#4 = -: Datasheet: https://www.vishay.com/doc?85881; LCSC: C315992
D8 D8#2-D8#4 D9 D9#2-D9#4 D10 D10#2-D10#4 D11 D11#2-D11#4 D12 D12#2-D12#4 D13 D13#2-D13#4 D21 D21#2-D21#4 D22 D22#2-D22#4 D23 D23#2-D23#4 D24 D24#2-D24#4 D25 D25#2-D25#4 D26 D26#2-D26#4 D40 D40#2-D40#4 = -: Datasheet: https://datasheet.lcsc.com/lcsc/2304140030_TWGMC-DSK34_C727076.pdf; LCSC: C727076
D16 D16#2-D16#4 = -: LCSC: C83333
D18 D18#2-D18#4 = -: Datasheet: https://www.lcsc.com/datasheet/C460799.pdf; LCSC: C460799; Part: BZT585B13T-7
D29 D29#2-D29#4 D30 D30#2-D30#4 D31 D31#2-D31#4 D37 D37#2-D37#4 D38 D38#2-D38#4 = -: Datasheet: https://datasheet.lcsc.com/lcsc/1912111437_Yongyu-Photoelectric-SZYY0805YG_C434435.pdf; LCSC: C434435
D32 D32#2-D32#4 D33 D33#2-D33#4 D34 D34#2-D34#4 D35 D35#2-D35#4 = -: Datasheet: https://datasheet.lcsc.com/lcsc/2201131330_Yangzhou-Yangjie-Elec-Tech-AZ23C3V3_C968007.pdf; LCSC: C968007
D36 D36#2-D36#4 = -: Datasheet: https://datasheet.lcsc.com/lcsc/1804140121_Diodes-Incorporated-PDS1040L-13_C154714.pdf; LCSC: C154714
D39 D39#2-D39#4 D42 D42#2-D42#4 D43 D43#2-D43#4 D44 D44#2-D44#4 D45 D45#2-D45#4 = -: Datasheet: https://datasheet.lcsc.com/lcsc/2401261513_BORN-BZT52C5V1T_C20612287.pdf; Note: 9V Zener; LCSC: C2987034
D41 D41#2-D41#4 = -: LCSC: C434435
F1 F1#2-F1#4 = -: Datasheet: https://datasheet.lcsc.com/lcsc/1806061139_Littelfuse-2920L700-12MR_C207092.pdf; LCSC: C207092; Note: 7A self-resetting fuse
F2 F2#2-F2#4 F3 F3#2-F3#4 F4 F4#2-F4#4 F5 F5#2-F5#4 = -: Datasheet: https://datasheet.lcsc.com/lcsc/1809131552_Littelfuse-2920L200DR_C207087.pdf; LCSC: C207087; Note: 2A self-resetting fuse
J1 J1#2-J1#4 = -: LCSC: C358686
J2 J2#2-J2#4 = -: Datasheet: https://datasheet.lcsc.com/lcsc/1811132110_BOOMELE-Boom-Precision-Elec-C35165_C35165.pdf; LCSC: C35165
J3 J3#2-J3#4 J4 J4#2-J4#4 J5 J5#2-J5#4 J7 J7#2-J7#4 J8 J8#2-J8#4 J10 J10#2-J10#4 = -: Datasheet: https://www.lcsc.com/datasheet/C3819953.pdf; LCSC: C3819953
J6 J6#2-J6#4 = -: Datasheet: https://datasheet.lcsc.com/lcsc/2201121730_DEALON-DZ200R-22-08-39_C2935959.pdf; LCSC: C358693
J9 J9#2-J9#4 J11 J11#2-J11#4 = -: Datasheet: https://datasheet.lcsc.com/lcsc/1912111437_MINTRON-MTP220-1102S1_C376075.pdf; LCSC: C358684
L1 L1#2-L1#4 = -: Datasheet: https://datasheet.lcsc.com/lcsc/2307060944_DMBJ-CXP1050-100M-AG-10uh_C7461391.pdf; LCSC: C7461391; Part: CXP1050-100M-AG(10uh)
Q1 Q1#2-Q1#4 Q2 Q2#2-Q2#4 Q3 Q3#2-Q3#4 Q6 Q6#2-Q6#4 Q7 Q7#2-Q7#4 = -: Datasheet: https://datasheet.lcsc.com/lcsc/2309121403_AGM-Semi-AGM60P85AP_C17701049.pdf; LCSC: C17701049
Q4 Q4#2-Q4#4 Q5 Q5#2-Q5#4 Q8 Q8#2-Q8#4 Q9 Q9#2-Q9#4 = -: Datasheet: https://datasheet.lcsc.com/lcsc/1810151612_Jiangsu-Changjing-Electronics-Technology-Co---Ltd--2N7002_C8545.pdf; LCSC: C8545
R1 R1#2-R1#4 R2 R2#2-R2#4 R3 R3#2-R3#4 R4 R4#2-R4#4 R5 R5#2-R5#4 R9 R9#2-R9#4 R10 R10#2-R10#4 R13 R13#2-R13#4 R14 R14#2-R14#4 R15 R15#2-R15#4 R16 R16#2-R16#4 R19 R19#2-R19#4 R20 R20#2-R20#4 R23 R23#2-R23#4 R39 R39#2-R39#4 R40 R40#2-R40#4 R48 R48#2-R48#4 R49 R49#2-R49#4 = -: Datasheet: https://datasheet.lcsc.com/lcsc/2206010130_UNI-ROYAL-Uniroyal-Elec-0603WAF1001T5E_C21190.pdf; LCSC: C21190
R6 R6#2-R6#4 R7 R7#2-R7#4 R17 R17#2-R17#4 R18 R18#2-R18#4 R24 R24#2-R24#4 R25 R25#2-R25#4 R26 R26#2-R26#4 R27 R27#2-R27#4 R29 R29#2-R29#4 R30 R30#2-R30#4 R31 R31#2-R31#4 R38 R38#2-R38#4 R54 R54#2-R54#4 R55 R55#2-R55#4 R56 R56#2-R56#4 R57 R57#2-R57#4 R58 R58#2-R58#4 = -: Datasheet: https://datasheet.lcsc.com/lcsc/2205311845_UNI-ROYAL-Uniroyal-Elec-0603WAJ0471T5E_C25241.pdf; LCSC: C25241
R8 R8#2-R8#4 R11 R11#2-R11#4 R12 R12#2-R12#4 R21 R21#2-R21#4 R22 R22#2-R22#4 R28 R28#2-R28#4 R32 R32#2-R32#4 R33 R33#2-R33#4 R34 R34#2-R34#4 R35 R35#2-R35#4 R36 R36#2-R36#4 R37 R37#2-R37#4 R47 R47#2-R47#4 R50 R50#2-R50#4 R51 R51#2-R51#4 R52 R52#2-R52#4 R53 R53#2-R53#4 R59 R59#2-R59#4 R60 R60#2-R60#4 R61 R61#2-R61#4 R62 R62#2-R62#4 = -: Datasheet: https://datasheet.lcsc.com/lcsc/2206010216_UNI-ROYAL-Uniroyal-Elec-0603WAJ0103T5E_C15401.pdf; LCSC: C15401
R41 R41#2-R41#4 = -: Datasheet: https://datasheet.lcsc.com/lcsc/2206010216_UNI-ROYAL-Uniroyal-Elec-0603WAJ0103T5E_C15401.pdf; LCSC: C22816; Part: 0603WAF1653T5E
R42 R42#2-R42#4 = -: Datasheet: https://datasheet.lcsc.com/lcsc/2206010216_UNI-ROYAL-Uniroyal-Elec-0603WAJ0103T5E_C15401.pdf; LCSC: C22772; Part: 0603WAF1022T5E
R43 R43#2-R43#4 = -: Datasheet: https://datasheet.lcsc.com/lcsc/2206010216_UNI-ROYAL-Uniroyal-Elec-0603WAJ0103T5E_C15401.pdf; LCSC: C23172; Part: 0603WAF4302T5E
R44 R44#2-R44#4 = -: Datasheet: https://datasheet.lcsc.com/lcsc/2206010216_UNI-ROYAL-Uniroyal-Elec-0603WAJ0103T5E_C15401.pdf; LCSC: C22803; Note: 0603WAF1402T5E; Part: 0603WAF1402T5E
R45 R45#2-R45#4 = -: Datasheet: https://datasheet.lcsc.com/lcsc/2206010216_UNI-ROYAL-Uniroyal-Elec-0603WAJ0103T5E_C15401.pdf; LCSC: C22850; Part: 0603WAF1871T5E
R46 R46#2-R46#4 = -: Datasheet: https://datasheet.lcsc.com/lcsc/2206010216_UNI-ROYAL-Uniroyal-Elec-0603WAJ0103T5E_C15401.pdf; LCSC: C23146; Part: 0603WAF3603T5E
SW1 SW1#2-SW1#4 = -: Datasheet: https://datasheet.lcsc.com/lcsc/2004221632_Diptronics-R7M3-16RA-V-T-R_C501563.pdf; LCSC: C501563; Part: R7M3-16RA-V-T/R
U1 U1#2-U1#4 = -: Datasheet: https://www.ti.com/lit/ds/symlink/tps54560b.pdf; LCSC: C50605; Part: TPS54531DDAR
U2 U2#2-U2#4 = -: Datasheet: https://www.lcsc.com/datasheet/lcsc_datasheet_2201121130_NXP-Semicon-PCA9685PW-118_C2678753.pdf; LCSC: C2678753
U3 U3#2-U3#4 = -: Datasheet: https://www.ti.com/lit/ds/symlink/lm7310.pdf; LCSC: C3210761; Part: LM73100RPWR
